# KiCad board servo.kicad_pcb (continued)
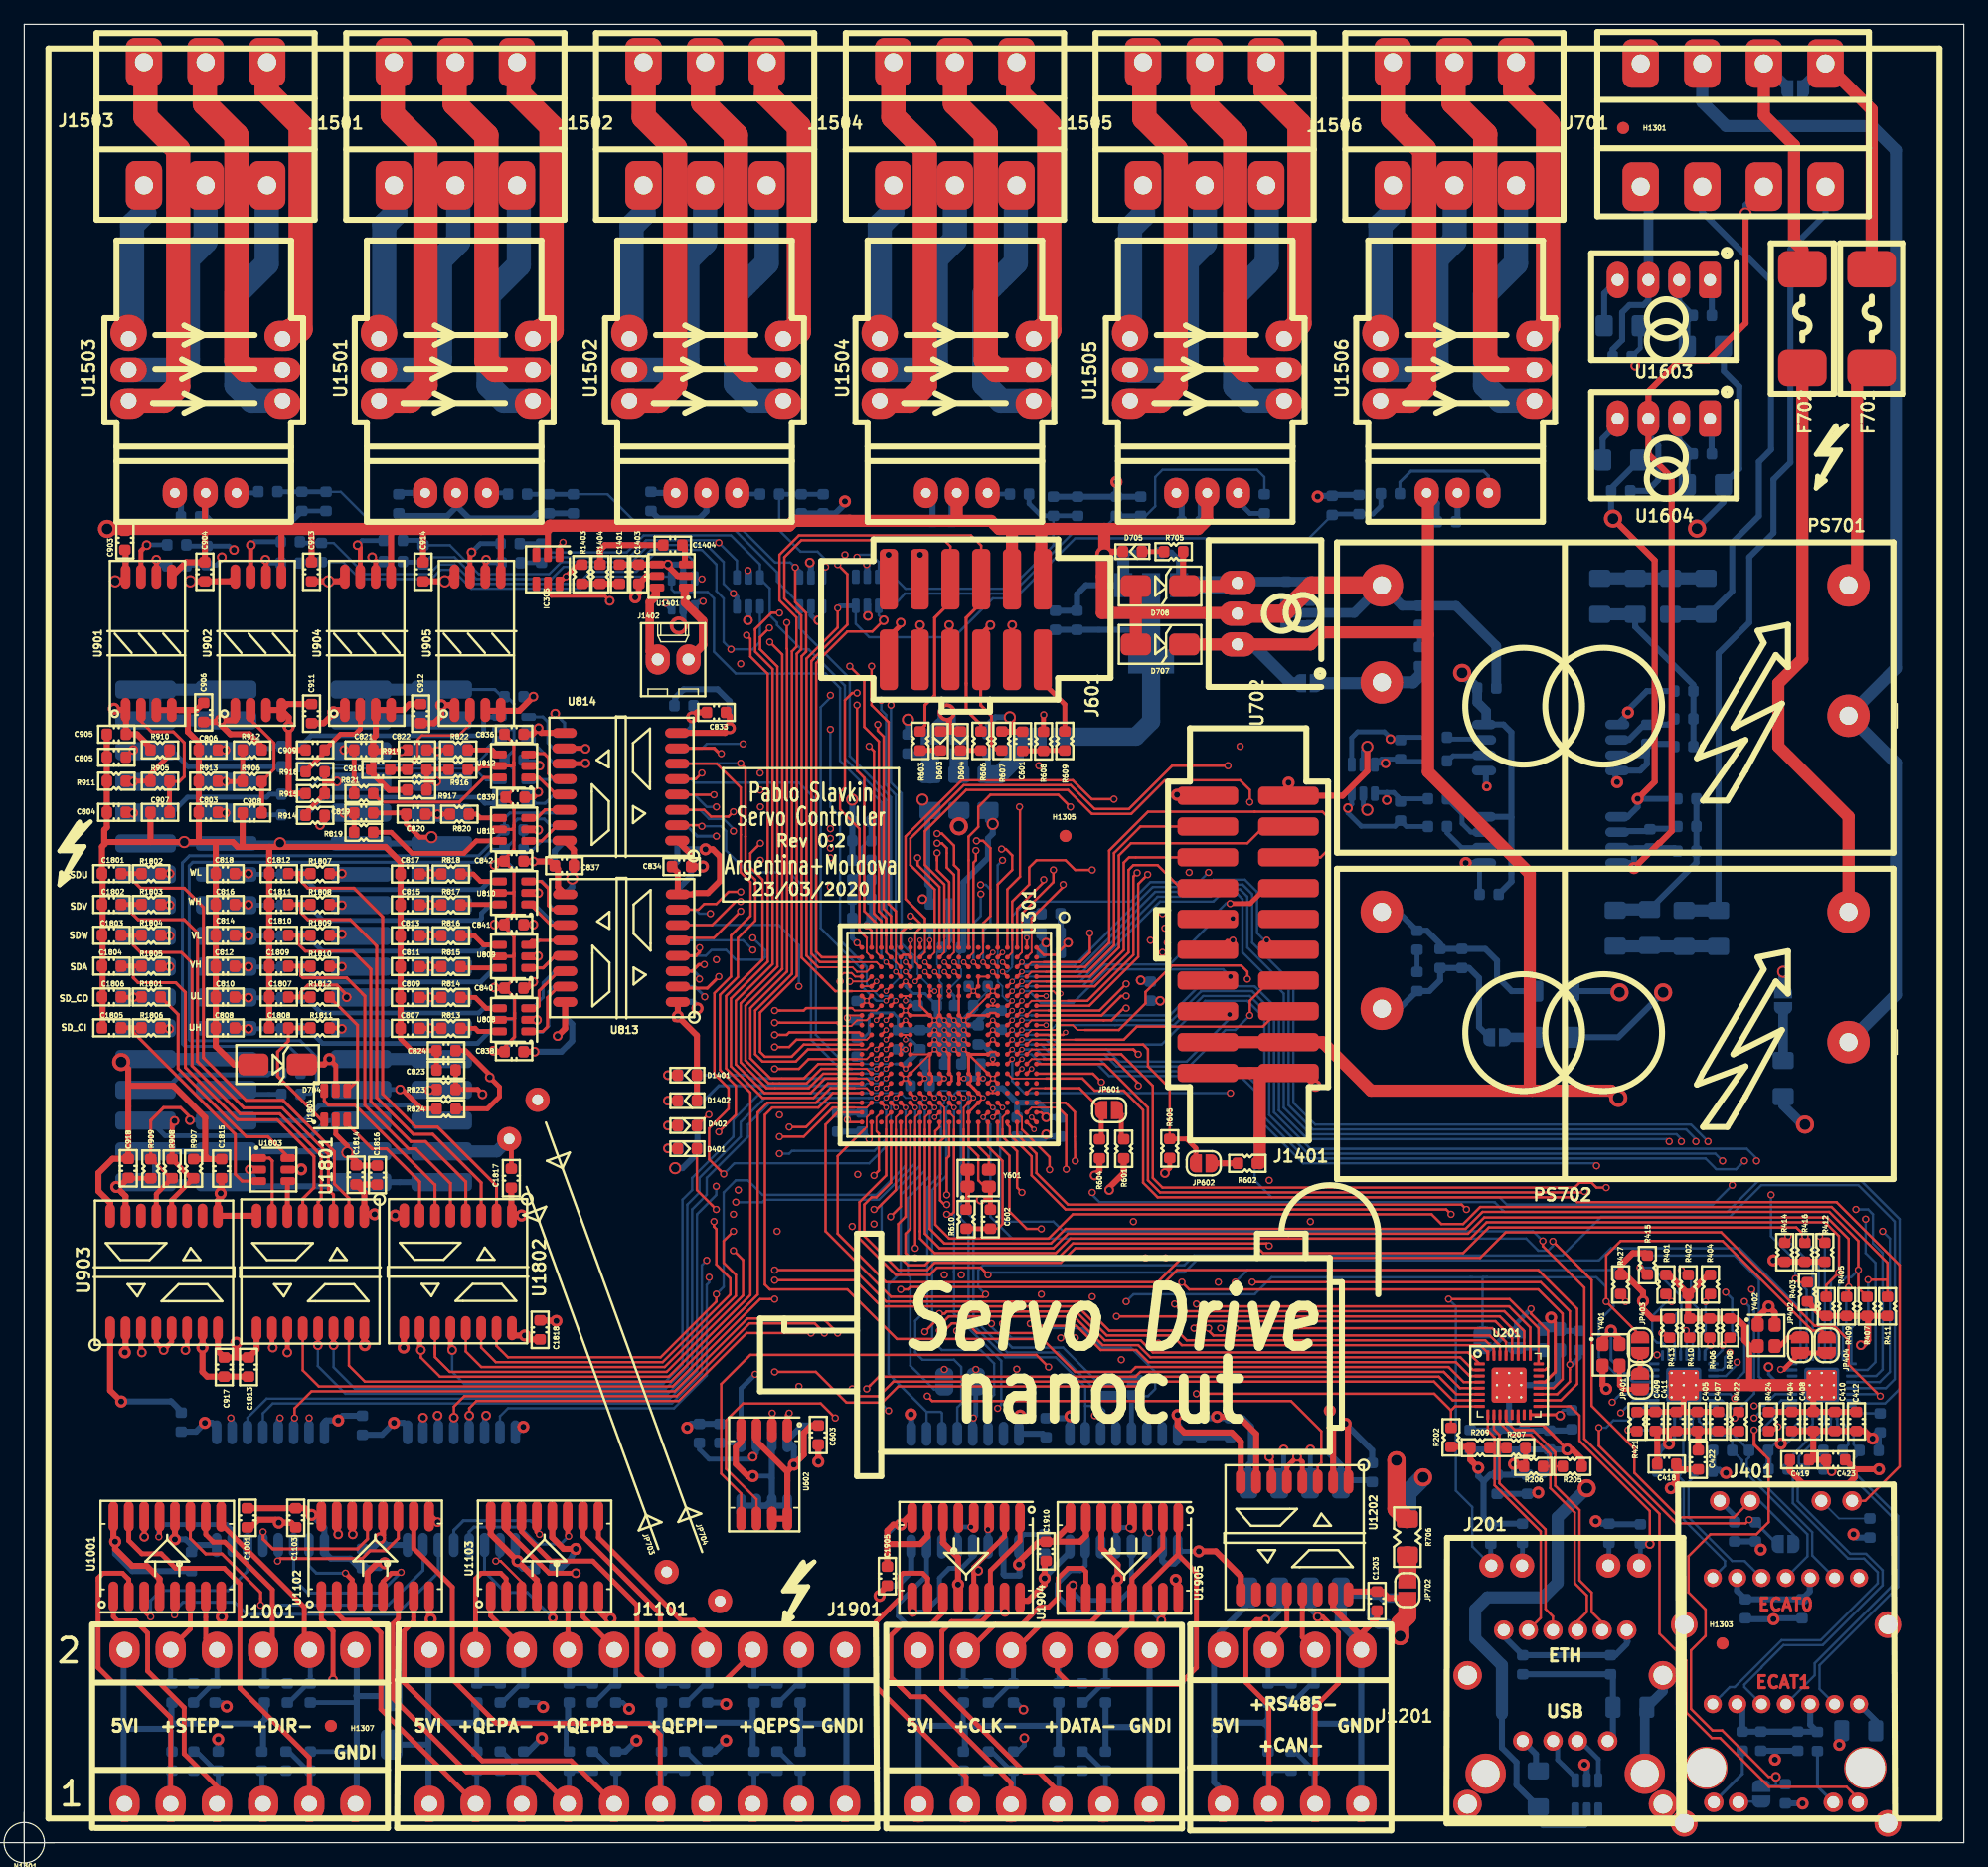
[diagram p0: board, top side]
## Nets (continued)
GND: C202.1 C204.2 C205.2 C207.2 C209.2 C211.2 C214.1 C216.1 C217.1 C301.2 C302.2 C303.2 C304.2 C404.1 C405.2 C407.2 C408.2 C409.2 C410.2 C411.2 C412.2 C414.2 C418.2 C419.2 C422.2 C423.2 C426.1 C427.1 C428.1 C429.1 C434.1 C501.2 C502.2 C503.2 C504.2 C505.2 C506.2 C507.2 C508.1 C511.2 C512.2 C514.2 C515.2 C516.2 C517.2 C518.2 C519.2 C520.2 C521.2 C523.2 C524.2 C525.2 C526.1 C529.1 C530.2 C531.1 C601.1 C602.2 C603.1 C701.1 C702.1 C703.1 C704.1 C705.1 C712.1 C714.1 C825.2 C826.2 C833.2 C834.2 C903.1 C904.1 C913.1 C914.1 C917.1 C1101.1 C1106.1 C1201.1 C1204.1 C1401.1 C1403.2 C1501.1 C1502.1 C1504.1 C1505.1 C1508.1 C1509.1 C1510.1 C1511.1 C1512.1 C1513.1 C1514.1 C1515.1 C1603.1 C1604.1 C1813.2 C1818.2 C1901.1 C1914.1 D701.1 D705.1 D707.2 D708.2 IC201.2 IC301.2 IC302.2 IC303.2 IC304.2 IC305.2 IC306.2 J201.4 J601.10 J601.12 J1401.2 J1401.19 J1401.20 PS701.3 R201.2 R302.2 R401.2 R402.2 R403.2 R404.2 R405.2 R406.2 R407.2 R408.2 R409.2 R410.2 R411.2 R421.2 R424.2 R601.2 R602.2 R607.2 R1502.2 R1504.2 R1506.2 R1508.2 R1510.2 R1512.2 U201.33 U301.A1 U301.A10 U301.A19 U301.E5 U301.E6 U301.E8 U301.E12 U301.E14 U301.E15 U301.F5 U301.F6 U301.F8 U301.F12 U301.F14 U301.F15 U301.G16 U301.G17 U301.H8 U301.H9 U301.H10 U301.H11 U301.H12 U301.H14 U301.H15 U301.H18 U301.H19 U301.J5 U301.J6 U301.J8 U301.J9 U301.J10 U301.J11 U301.J12 U301.K8 U301.K9 U301.K10 U301.K11 U301.K12 U301.K14 U301.K15 U301.L5 U301.L6 U301.L8 U301.L9 U301.L10 U301.L11 U301.L12 U301.L18 U301.M8 U301.M9 U301.M10 U301.M11 U301.M12 U301.M14 U301.M15 U301.N1 U301.N5 U301.N6 U301.P1 U301.P2 U301.P5 U301.P7 U301.P8 U301.P11 U301.P12 U301.P14 U301.P15 U301.R2 U301.R5 U301.R7 U301.R8 U301.R14 U301.R15 U301.V6 U301.V7 U301.W1 U301.W6 U301.W7 U301.W19 U401.1 U401.2 U401.3 U401.4 U401.7 U402.33 U403.33 U602.4 U702.2 U706.1 U801.8 U802.8 U813.8 U814.8 U901.5 U902.5 U903.2 U903.8 U904.5 U905.5 U1101.9 U1104.9 U1201.4 U1202.2 U1202.8 U1401.2 U1401.4 U1501.8 U1502.8 U1503.8 U1504.8 U1505.8 U1506.8 U1601.5 U1602.5 U1801.9 U1802.9 U1901.8 U1908.8 Y201.2 Y401.2 Y402.2 Y601.2
GNDB: C1609.1 C1610.1 R704.2 U1603.1 U1604.1
GNDH: C708.1 C710.1 D702.1 PS702.3 R704.1 R707.1
GNDI: C1001.1 C1102.1 C1103.1 C1104.1 C1105.1 C1202.1 C1203.1 C1904.1 C1905.1 C1910.1 C1913.1 D703.2 J1001.6a J1001.6b J1101.10a J1101.10b J1201.4a J1201.4b J1901.6a J1901.6b JP703.1 JP705.2 R1003.2 R1006.2 R1009.2 R1012.2 R1103.2 R1106.2 R1109.2 R1112.2 R1115.2 R1118.2 R1121.2 R1124.2 R1203.2 R1206.2 R1905.2 R1908.2 R1913.2 R1916.2 U1001.8 U1001.12 U1101.8 U1102.8 U1102.12 U1103.8 U1103.12 U1104.8 U1201.5 U1202.9 U1202.15 U1901.9 U1901.10 U1904.7 U1904.8 U1905.7 U1905.8 U1908.9 U1908.10
GNDP: C801.1 C802.1 C803.1 C804.1 C805.1 C806.1 C807.1 C808.1 C809.1 C810.1 C811.1 C812.1 C813.1 C814.1 C815.1 C816.1 C817.1 C818.1 C819.1 C820.1 C821.1 C822.1 C823.1 C824.1 C828.2 C829.2 C830.2 C831.2 C832.2 C835.2 C836.2 C837.2 C838.2 C839.2 C840.2 C841.2 C842.2 C905.1 C906.1 C907.1 C908.1 C909.1 C910.1 C911.1 C912.1 C918.1 C1801.2 C1802.2 C1803.2 C1804.2 C1805.2 C1806.2 C1807.2 C1808.2 C1809.2 C1810.2 C1811.2 C1812.2 C1814.2 C1815.2 C1816.2 C1817.2 D704.2 J1704.1 J1704.2 J1704.3 J1704.4 J1704.23 J1704.24 J1705.1 J1705.2 J1705.3 J1705.4 J1705.23 J1705.24 JP703.2 R909.2 R911.2 R913.2 R915.2 R917.2 U801.9 U802.9 U803.2 U804.2 U805.2 U806.2 U807.2 U808.2 U809.2 U810.2 U811.2 U812.2 U813.9 U814.9 U901.3 U901.4 U902.3 U902.4 U903.9 U903.15 U904.3 U904.4 U905.3 U905.4 U1801.8 U1802.8 U1803.2 U1804.2
VBUS1_N: C1601.1 IC304.3 R1602.1 U301.U7
VBUS1_N_H: C1605.1 C1607.1 J701.4b R1608.2 U1601.3 U1601.4 U1603.3
VBUS1_P: C1601.2 IC304.1 R1601.1 U301.T7
VBUS1_P_H: J701.3b R1613.2 R1616.2
VBUS2_N: C1602.1 IC304.6 R1604.1 U301.W4
VBUS2_N_H: C1606.1 C1608.1 J701.2b R1610.2 U1602.3 U1602.4 U1604.3
VBUS2_P: C1602.2 IC304.4 R1603.1 U301.V4
VBUS2_P_H: J701.1b R1617.2 R1618.2
1-WIRE_N_H: J1704.6 J1705.6 R908.2 R909.1 U903.13
1-WIRE_P_H: J1704.5 J1705.5 R907.2 R908.1 U903.12
1WIRE_EN: U301.B14 U903.4 U903.5
1WIRE_IN: U301.A14 U903.3
1WIRE_OUT: U301.C14 U903.6
/ac_in/AC_L_C: F701.2 J701.1a JP707.1
/ac_in/AC_L_C_FUSE: F701.1 PS701.1
/ac_in/AC_L_H: F702.2 J701.2a JP707.2
/ac_in/AC_L_H_FUSE: F702.1 PS702.1
/ac_in/AC_N: J701.3a PS701.2 PS702.2
/can rs485/CAN_N_H: J1201.3a R1202.2 R1203.1 U1201.6
/can rs485/CAN_P_H: J1201.2a R1201.2 R1202.1 U1201.7
/can rs485/RS485_N_H: J1201.3b R1205.2 R1206.1 U1202.13
/can rs485/RS485_P_H: J1201.2b R1204.2 R1205.1 U1202.12
/endat/ENDAT1_CLK_H: U1901.12 U1904.9
/endat/ENDAT1_CLK_H_N: J1901.3a R1912.2 R1913.1 U1904.11
/endat/ENDAT1_CLK_H_P: J1901.2a R1911.2 R1912.1 U1904.10
/endat/ENDAT1_CS_H: U1901.13 U1904.4
/endat/ENDAT1_DATA_H_N: J1901.5a R1915.2 R1916.1 U1904.2 U1904.13
/endat/ENDAT1_DATA_H_P: J1901.4a R1914.2 R1915.1 U1904.1 U1904.14
/endat/ENDAT1_MISO_H: U1901.11 U1904.3
/endat/ENDAT1_MOSI_H: U1901.15 U1904.15
/endat/ENDAT2_CLK_H: U1905.9 U1908.12
/endat/ENDAT2_CLK_H_N: J1901.3b R1907.2 R1908.1 U1905.11
/endat/ENDAT2_CLK_H_P: J1901.2b R1906.2 R1907.1 U1905.10
/endat/ENDAT2_CS_H: U1905.4 U1908.13
/endat/ENDAT2_DATA_H_N: J1901.5b R1904.2 R1905.1 U1905.2 U1905.13
/endat/ENDAT2_DATA_H_P: J1901.4b R1903.2 R1904.1 U1905.1 U1905.14
/endat/ENDAT2_MISO_H: U1905.3 U1908.11
/endat/ENDAT2_MOSI_H: U1905.15 U1908.15
/ethercat/ecat0_bias: R422.1 U402.8
/ethercat/ecat0_col: R410.1 U402.29
/ethercat/ecat0_crs: R413.2 U402.27
/ethercat/ecat1_bias: R424.1 U403.16
/ethercat/ecat1_col: R412.2 U403.29
/ethercat/ecat1_crs: R414.2 U403.27
/ethercat/ecat1_led0: JP406.2 R434.2 U403.17
/ethercat/ecat1_pwrdn: R425.1 U403.8
/ethercat/P0_RD_N: J401.13 R437.2 U402.9
/ethercat/P0_RD_P: J401.11 R435.2 U402.10
/ethercat/P0_TD_N: J401.10 R431.2 U402.11
/ethercat/P0_TD_P: J401.8 R429.2 U402.12
/ethercat/P1_RD_N: J401.6 R440.2 U403.9
/ethercat/P1_RD_P: J401.4 R438.2 U403.10
/ethercat/P1_TD_N: J401.3 R432.2 U403.11
/ethercat/P1_TD_P: J401.1 R430.2 U403.12
/ethernet/clk_xi: JP201.1 JP202.2 U201.23
/ethernet/enet_led0: J201.13 R208.2 U201.17
/ethernet/enet_led1: J201.16 R211.2 U201.24
/ethernet/P0_RD_N: J201.11 R209.2 U201.9
/ethernet/P0_RD_P: J201.10 R207.2 U201.10
/ethernet/P0_TD_N: J201.9 R206.2 U201.11
/ethernet/P0_TD_P: J201.8 R205.2 U201.12
/lem/LemA_All_1: J1502.3 U1502.1
/lem/LemA_All_2: J1502.5 U1502.2
/lem/LemA_All_3: J1502.4 U1502.3
/lem/LemA_All_4: J1502.1 U1502.4
/lem/LemA_All_5: J1502.2 U1502.5
/lem/LemA_All_6: J1502.6 U1502.6
/lem/LemAU_1: J1503.3 U1503.1
/lem/LemAU_2: J1503.5 U1503.2
/lem/LemAU_3: J1503.4 U1503.3
/lem/LemAU_4: J1503.1 U1503.4
/lem/LemAU_5: J1503.2 U1503.5
/lem/LemAU_6: J1503.6 U1503.6
/lem/LemAV_1: J1501.3 U1501.1
/lem/LemAV_2: J1501.5 U1501.2
/lem/LemAV_3: J1501.4 U1501.3
/lem/LemAV_4: J1501.1 U1501.4
/lem/LemAV_5: J1501.2 U1501.5
/lem/LemAV_6: J1501.6 U1501.6
/lem/LemB_All_1: J1506.3 U1506.1
/lem/LemB_All_2: J1506.5 U1506.2
/lem/LemB_All_3: J1506.4 U1506.3
/lem/LemB_All_4: J1506.1 U1506.4
/lem/LemB_All_5: J1506.2 U1506.5
/lem/LemB_All_6: J1506.6 U1506.6
/lem/LemBU_1: J1504.3 U1504.1
/lem/LemBU_2: J1504.5 U1504.2
/lem/LemBU_3: J1504.4 U1504.3
/lem/LemBU_4: J1504.1 U1504.4
/lem/LemBU_5: J1504.2 U1504.5
/lem/LemBU_6: J1504.6 U1504.6
/lem/LemBV_1: J1505.3 U1505.1
/lem/LemBV_2: J1505.5 U1505.2
/lem/LemBV_3: J1505.4 U1505.3
/lem/LemBV_4: J1505.1 U1505.4
/lem/LemBV_5: J1505.2 U1505.5
/lem/LemBV_6: J1505.6 U1505.6
/qep/QEP1_A_H: U1101.2 U1102.3
/qep/QEP1_A_N_H: J1101.3a R1102.2 R1103.1 U1102.1
/qep/QEP1_A_P_H: J1101.2a R1101.2 R1102.1 U1102.2
/qep/QEP1_B_H: U1101.3 U1102.5
/qep/QEP1_B_N_H: J1101.5a R1105.2 R1106.1 U1102.7
/qep/QEP1_B_P_H: J1101.4a R1104.2 R1105.1 U1102.6
/qep/QEP1_I_H: U1101.4 U1102.11
/qep/QEP1_I_N_H: J1101.7a R1108.2 R1109.1 U1102.9
/qep/QEP1_I_P_H: J1101.6a R1107.2 R1108.1 U1102.10
/qep/QEP1_S_H: U1101.5 U1102.13
/qep/QEP1_S_N_H: J1101.9a R1111.2 R1112.1 U1102.15
/qep/QEP1_S_P_H: J1101.8a R1110.2 R1111.1 U1102.14
/qep/QEP2_A_H: U1103.3 U1104.2
/qep/QEP2_A_N_H: J1101.3b R1123.2 R1124.1 U1103.1
/qep/QEP2_A_P_H: J1101.2b R1122.2 R1123.1 U1103.2
/qep/QEP2_B_H: U1103.5 U1104.3
/qep/QEP2_B_N_H: J1101.5b R1120.2 R1121.1 U1103.7
/qep/QEP2_B_P_H: J1101.4b R1119.2 R1120.1 U1103.6
/qep/QEP2_I_H: U1103.11 U1104.4
/qep/QEP2_I_N_H: J1101.7b R1117.2 R1118.1 U1103.9
/qep/QEP2_I_P_H: J1101.6b R1116.2 R1117.1 U1103.10
/qep/QEP2_S_H: U1103.13 U1104.5
/qep/QEP2_S_N_H: J1101.9b R1114.2 R1115.1 U1103.15
/qep/QEP2_S_P_H: J1101.8b R1113.2 R1114.1 U1103.14
/step_dir/DIR1_A_N_H: J1001.5a R1005.2 R1006.1 U1001.15
/step_dir/DIR1_A_P_H: J1001.4a R1004.2 R1005.1 U1001.14
/step_dir/DIR2_A_N_H: J1001.5b R1008.2 R1009.1 U1001.9
/step_dir/DIR2_A_P_H: J1001.4b R1007.2 R1008.1 U1001.10
/step_dir/STEP1_N_H: J1001.3a R1002.2 R1003.1 U1001.1
/step_dir/STEP1_P_H: J1001.2a R1001.2 R1002.1 U1001.2
/step_dir/STEP2_N_H: J1001.3b R1011.2 R1012.1 U1001.7
/step_dir/STEP2_P_H: J1001.2b R1010.2 R1011.1 U1001.6
/uc_adc/ADC_REFH: C301.1 C302.1 R301.1 R302.1 U301.R1 U301.V1 U301.V5 U301.W5
/uc_clk_dbg/F2838x_CLK: U301.G19 Y601.3
/uc_clk_dbg/MCU_TCK: J601.1 U301.V15
/uc_clk_dbg/MCU_TDI: J601.3 U301.W13
/uc_clk_dbg/MCU_TDO: J601.9 U301.W15
/uc_clk_dbg/MCU_TMS: J601.5 U301.W14
/uc_clk_dbg/MCU_TRSTn: J601.7 R607.1 U301.V14
/uc_clk_dbg/MCU_XRSn: C602.1 R610.2 U301.F19
/ui/speaker+: J1402.2 U1401.6
/ui/speaker-: J1402.1 U1401.1
BOOT1: JP601.1 R604.2 U301.B16
BOOT2: JP602.1 R605.2 U301.A11
BRK_MEC1: U301.U13 U802.4
BRK_MEC1_H: C804.2 J1704.25 R809.2
BRK_MEC2: U301.T13 U814.2
BRK_MEC2_H: C819.2 J1705.25 R819.1
BRK_RES1: U301.C2 U802.5
BRK_RES1_H: C803.2 J1704.26 R810.2
BRK_RES2: U301.D1 U814.3
BRK_RES2_H: C820.2 J1705.26 R820.1
CAN_RX: U301.T11 U1201.2
CAN_TX: U301.U11 U1201.3
DACB_DBG: IC305.1 R608.1 U301.T1
DACB_DBG_OUT: J601.11 R609.2
DIR1: U301.C18 U1101.10
DIR1_H: U1001.13 U1101.7
DIR2: U301.A17 U1104.10
DIR2_H: U1001.11 U1104.7
Earth: C217.2 C434.2 J201.5 J201.6 J201.17 J201.18 J201.19 J201.20 J401.7 J401.14 J401.23 J401.24 J401.25 J401.26 J401.27 J401.28 R708.2
ECAT0_RJ_LED0: J401.20 JP405.1 U301.F18
ECAT0_RJ_LED1: J401.22 U301.D14
ECAT0_RX_CLK: U301.A8 U402.25
ECAT0_RX_D0: R402.1 U301.C5 U402.30
ECAT0_RX_D1: R404.1 U301.D5 U402.31
ECAT0_RX_D2: R406.1 U301.C4 U402.32
ECAT0_RX_D3: R408.1 U301.D4 U402.1
ECAT0_RX_DV: R401.1 U301.D9 U402.26
ECAT0_RX_ER: R415.2 U301.B8 U402.28
ECAT0_TX_CLK: U301.B10 U402.2
ECAT0_TX_D0: U301.C10 U402.4
ECAT0_TX_D1: U301.D10 U402.5
ECAT0_TX_D2: U301.B9 U402.6
ECAT0_TX_D3: U301.C9 U402.7
ECAT0_TX_EN: U301.D12 U402.3
ECAT1_RJ_LED0: J401.18 U301.F17
ECAT1_RJ_LED1: J401.16 JP406.1 U301.A13
ECAT1_RX_CLK: U301.T18 U403.25
ECAT1_RX_D0: R405.1 U301.N19 U403.30
ECAT1_RX_D1: R407.1 U301.M19 U403.31
ECAT1_RX_D2: R409.1 U301.M18 U403.32
ECAT1_RX_D3: R411.1 U301.L19 U403.1
ECAT1_RX_DV: R403.1 U301.T17 U403.26
ECAT1_RX_ER: R416.2 U301.T19 U403.28
ECAT1_TX_CLK: U301.U10 U403.2
ECAT1_TX_D0: U301.V10 U403.4
ECAT1_TX_D1: U301.W18 U403.5
ECAT1_TX_D2: U301.V18 U403.6
ECAT1_TX_D3: U301.U18 U403.7
ECAT1_TX_EN: U301.T10 U403.3
ECAT_EEPROM_SCL: R418.2 U301.C13 U401.6
ECAT_EEPROM_SDA: R417.2 U301.B13 U401.5
ECAT_LED_ERR: D402.1 U301.E17
ECAT_LED_RUN: D401.1 U301.D18
ECAT_MDCLK: U301.D13 U402.20 U403.20
ECAT_MDIO: R427.2 U301.A12 U402.19 U403.19
ECAT_RST: U301.C12 U402.18 U403.18
ENDAT1_CLK: JP1901.2 U301.M17
ENDAT1_CS: U301.L16 U1901.4
ENDAT1_MISO: U301.M16 U1901.6
ENDAT1_MOSI: U301.N17 U1901.2 U1901.3
ENDAT1_N_SKEW_CLK: JP1902.1 U301.D2 U1901.5
ENDAT1_Y_SKEW_CLK: JP1901.1 JP1902.2 U301.D3
ENDAT2_CLK: JP1904.1 U301.K16
ENDAT2_CS: U301.K17 U1908.4
ENDAT2_MISO: U301.L17 U1908.6
ENDAT2_MOSI: U301.J16 U1908.2 U1908.3
ENDAT2_N_SKEW_CLK: JP1903.2 U301.E3 U1908.5
ENDAT2_Y_SKEW_CLK: JP1903.1 JP1904.2 U301.E4
ENET_CAT_XI: JP202.1 JP403.1 JP404.1 U301.B12
ENET_COL: U201.29 U301.M2
ENET_CRS: U201.27 U301.N2
ENET_MDCLK: U201.20 U301.J3
ENET_MDIO: R204.1 U201.19 U301.L2
ENET_PWDN: R202.1 U201.8 U301.L4
ENET_RST: U201.18 U301.T15
ENET_RX_CLK: U201.25 U301.M4
ENET_RX_D0: U201.30 U301.N3
ENET_RX_D1: U201.31 U301.V12
ENET_RX_D2: U201.32 U301.W10
ENET_RX_D3: U201.1 U301.U12
ENET_RX_DV: U201.26 U301.M3
ENET_RX_ER: U201.28 U301.N4
ENET_TX_CLK: U201.2 U301.U15
ENET_TX_D0: U201.4 U301.W16
ENET_TX_D1: U201.5 U301.T8
ENET_TX_D2: U201.6 U301.U8
ENET_TX_D3: U201.7 U301.V8
ENET_TX_EN: U201.3 U301.T12
FAN_RPM1: U301.K18 U802.7
FAN_RPM1_H: J1704.8 R812.2
FAN_RPM2: U301.R16 U814.6
FAN_RPM2_H: J1705.8 R823.1
FLASH_SPI_CLK: U301.H3 U602.6
FLASH_SPI_CS: U301.J1 U602.1
FLASH_SPI_MISO: U301.H2 U602.2
FLASH_SPI_MOSI: U301.H1 U602.5
FREE_OUT1_1: U301.V17 U802.3
FREE_OUT1_1_H: C805.2 J1704.29 R808.2
FREE_OUT1_2: U301.U17 U802.2
FREE_OUT1_2_H: C806.2 J1704.30 R807.2
FREE_OUT2_1: U301.E19 U814.4
FREE_OUT2_1_H: C821.2 J1705.29 R821.1
FREE_OUT2_2: U301.E18 U814.5
FREE_OUT2_2_H: C822.2 J1705.30 R822.1
IGBT1_UH: U301.C8 U801.7
IGBT1_UH_H: C808.2 J1704.12 R806.2
IGBT1_UL: U301.D8 U801.6
IGBT1_UL_H: C810.2 J1704.14 R805.2
IGBT1_VH: U301.A7 U801.5
IGBT1_VH_H: C812.2 J1704.16 R804.2
IGBT1_VL: U301.B7 U801.4
IGBT1_VL_H: C814.2 J1704.18 R803.2
IGBT1_WH: U301.C7 U801.3
IGBT1_WH_H: C816.2 J1704.20 R802.2
IGBT1_WL: U301.D7 U801.2
IGBT1_WL_H: C818.2 J1704.22 R801.2
IGBT2_UH: U301.A6 U813.2
IGBT2_UH_H: C807.2 J1705.12 R813.1
IGBT2_UL: U301.B6 U813.3
IGBT2_UL_H: C809.2 J1705.14 R814.1
IGBT2_VH: U301.G2 U813.4
IGBT2_VH_H: C811.2 J1705.16 R815.1
IGBT2_VL: U301.G3 U813.5
IGBT2_VL_H: C813.2 J1705.18 R816.1
IGBT2_WH: U301.B2 U813.6
IGBT2_WH_H: C815.2 J1705.20 R817.1
IGBT2_WL: U301.C1 U813.7
IGBT2_WL_H: C817.2 J1705.22 R818.1
IGBT_ALARM1: U301.K19 U802.6
IGBT_ALARM1_H: J1704.7 R811.2
IGBT_ALARM2: U301.P17 U814.7
IGBT_ALARM2_H: J1705.7 R824.1
LCD_AUDIO: IC305.6 J1401.9 R1403.1 U301.U1
LCD_GPIO0: J1401.11 U301.B3
LCD_GPIO1: J1401.12 U301.C3
LCD_GPIO2: J1401.13 U301.C6
LCD_GPIO3: J1401.14 U301.D11
LCD_GPIO4: J1401.15 U301.C11
LCD_GPIO5: J1401.16 U301.B11
LCD_INT: J1401.7 U301.A5
LCD_SPI_CLK: J1401.3 U301.B4
LCD_SPI_CS: J1401.6 U301.A3
LCD_SPI_MISO: J1401.4 U301.A4
LCD_SPI_MOSI: J1401.5 U301.B5
LCD_SPI_PDW: J1401.8 U301.D6
LEM_A_ALL: C1502.2 IC306.3 R1503.2 R1504.1 U301.T6
LEM_A_U: C1509.2 IC306.6 R1505.2 R1506.1 U301.T5
LEM_A_V: C1501.2 IC306.1 R1501.2 R1502.1 U301.U5
LEM_B_ALL: C1515.2 IC303.3 R1511.2 R1512.1 U301.V3
LEM_B_U: C1513.2 IC303.6 R1507.2 R1508.1 U301.V2
LEM_B_V: C1514.2 IC303.1 R1509.2 R1510.1 U301.W2
NTC1_1_H: J1704.27 R905.2 R910.2 R911.1
NTC1_1_N: C901.1 IC301.4 R902.2 U301.T2
NTC1_1_P: C901.2 IC301.6 R901.2 U301.U2
NTC1_2_H: J1704.28 R906.2 R912.2 R913.1
NTC1_2_N: C902.1 IC301.1 R904.2 U301.T3
NTC1_2_P: C902.2 IC301.3 R903.2 U301.U3
NTC2_1_H: J1705.27 R914.2 R915.1 R918.2
NTC2_1_N: C915.1 IC302.1 R921.2 U301.P3
NTC2_1_P: C915.2 IC302.3 R920.2 U301.R3
NTC2_2_H: J1705.28 R916.2 R917.1 R919.2
NTC2_2_N: C916.1 IC302.4 R923.2 U301.P4
NTC2_2_P: C916.2 IC302.6 R922.2 U301.R4
QEP1_A: U301.F2 U1101.15
QEP1_B: U301.F3 U1101.14
QEP1_I: U301.K4 U1101.13
QEP1_S: U301.J4 U1101.12
QEP2_A: U301.K3 U1104.15
QEP2_B: U301.K2 U1104.14
QEP2_I: U301.K1 U1104.13
QEP2_S: U301.L1 U1104.12
RS485_EN: U301.N16 U1202.4 U1202.5
RS485_RX: U301.P19 U1202.3
RS485_TX: U301.P18 U1202.6
RUN_LED0: R1401.2 U301.U14
RUN_LED1: R1402.2 U301.T14
SCIA_RX: J601.8 R606.1 U301.V11
SCIA_TX: J601.6 R603.2 U301.W11
SD1_A: U301.W17 U1801.12
SD1_A_H: J1704.15 R1805.2
SD1_U: U301.V16 U1801.15
SD1_U_H: J1704.21 R1802.2
SD1_V: U301.U16 U1801.14
SD1_V_H: J1704.19 R1803.2
SD1_W: U301.T16 U1801.13
SD1_W_H: J1704.17 R1804.2
SD2_A: U301.P16 U1802.12
SD2_A_H: J1705.15 R1810.2
SD2_U: U301.R17 U1802.15
SD2_U_H: J1705.21 R1807.2
SD2_V: U301.R18 U1802.14
SD2_V_H: J1705.19 R1808.2
SD2_W: U301.R19 U1802.13
SD2_W_H: J1705.17 R1809.2
SD_CLK_IN1: U301.E2 U1801.11
SD_CLK_IN1_H: J1704.11 R1806.2
SD_CLK_IN2: U301.N18 U1802.11
SD_CLK_IN2_H: J1705.11 R1811.2
SD_CLK_OUT: U301.E1 U1801.10 U1802.10
SD_CLK_OUT1_H: C1806.1 J1704.13 R1801.2
SD_CLK_OUT2_H: C1807.1 J1705.13 R1812.2
STEP1: U301.B19 U1101.11
STEP1_H: U1001.3 U1101.6
STEP2: U301.B18 U1104.11
STEP2_H: U1001.5 U1104.6
USB_D+: IC201.3 J201.3 U301.C19
USB_D-: IC201.1 J201.2 U301.D19
USB_VBUS: J201.1 R210.2
Net-(C601-Pad2): C601.2 R608.2 R609.1
Net-(C801-Pad2): C801.2 R812.1 U802.10
Net-(C802-Pad2): C802.2 R811.1 U802.11
Net-(C823-Pad2): C823.2 R823.2 U814.11
Net-(C824-Pad2): C824.2 R824.2 U814.10
Net-(C907-Pad2): C907.2 R905.1 U901.2
Net-(C908-Pad2): C908.2 R906.1 U902.2
Net-(C909-Pad2): C909.2 R918.1 U904.2
Net-(C910-Pad2): C910.2 R919.1 U905.2
Net-(C1401-Pad2): C1401.2 R1403.2 R1404.1
Net-(C1404-Pad1): C1404.1 R1404.2
Net-(C1404-Pad2): C1404.2 U1401.3
Net-(C1605-Pad2): C1605.2 R1605.1 U1601.2
Net-(C1606-Pad2): C1606.2 R1606.1 U1602.2
Net-(C1607-Pad2): C1607.2 L1601.2 R1607.1 U1601.1
Net-(C1608-Pad2): C1608.2 L1602.2 R1609.1 U1602.1
Net-(C1609-Pad2): C1609.2 L1603.2 U1603.2
Net-(C1610-Pad2): C1610.2 L1604.2 U1604.2
Net-(C1801-Pad1): C1801.1 R1802.1 U1801.2
Net-(C1802-Pad1): C1802.1 R1803.1 U1801.3
Net-(C1803-Pad1): C1803.1 R1804.1 U1801.4
Net-(C1804-Pad1): C1804.1 R1805.1 U1801.5
Net-(C1805-Pad1): C1805.1 R1806.1 U1803.3
Net-(C1808-Pad1): C1808.1 R1811.1 U1804.1
Net-(C1809-Pad1): C1809.1 R1810.1 U1802.5
Net-(C1810-Pad1): C1810.1 R1809.1 U1802.4
Net-(C1811-Pad1): C1811.1 R1808.1 U1802.3
Net-(C1812-Pad1): C1812.1 R1807.1 U1802.2
Net-(D401-Pad2): D401.2 R419.1
Net-(D402-Pad2): D402.2 R420.1
Net-(D603-Pad1): D603.1 R603.1
Net-(D604-Pad1): D604.1 R606.2
Net-(D701-Pad2): D701.2 R701.2
Net-(D702-Pad2): D702.2 R702.2
Net-(D705-Pad2): D705.2 R705.2
Net-(D1401-Pad1): D1401.1 R1401.1
Net-(D1402-Pad1): D1402.1 R1402.1
Net-(IC201-Pad4): IC201.4
Net-(IC201-Pad6): IC201.6
Net-(IC303-Pad4): IC303.4
Net-(IC305-Pad3): IC305.3
Net-(IC305-Pad4): IC305.4
Net-(IC306-Pad4): IC306.4
Net-(J201-Pad14): J201.14 R212.2
Net-(J201-Pad15): J201.15 R213.2
Net-(J401-Pad15): J401.15 R442.2
Net-(J401-Pad17): J401.17 R441.2
Net-(J401-Pad19): J401.19 R446.2
Net-(J401-Pad21): J401.21 R445.2
Net-(J701-Pad4a): J701.4a JP708.1
Net-(J1401-Pad10): J1401.10
Net-(JP201-Pad2): JP201.2 Y201.3
Net-(JP401-Pad1): JP401.1 JP403.2 U402.23
Net-(JP401-Pad2): JP401.2 Y401.3
Net-(JP402-Pad1): JP402.1 JP404.2 U403.23
Net-(JP402-Pad2): JP402.2 Y402.3
Net-(JP405-Pad2): JP405.2 R433.2 U402.17
Net-(JP601-Pad2): JP601.2 R601.1
Net-(JP602-Pad2): JP602.2 R602.1
Net-(JP702-Pad1): JP702.1 R706.2
Net-(JP705-Pad1): JP705.1 R707.2
Net-(JP706-Pad2): JP706.2 R703.1
Net-(JP708-Pad2): JP708.2 R708.1
Net-(L1601-Pad1): L1601.1 U1603.4
Net-(L1602-Pad1): L1602.1 U1604.4
Net-(R201-Pad1): R201.1 U201.16
Net-(R421-Pad1): R421.1 U402.16
Net-(R801-Pad1): R801.1 U803.6
Net-(R802-Pad1): R802.1 U803.4
Net-(R803-Pad1): R803.1 U804.6
Net-(R804-Pad1): R804.1 U804.4
Net-(R805-Pad1): R805.1 U805.6
Net-(R806-Pad1): R806.1 U805.4
Net-(R807-Pad1): R807.1 U806.6
Net-(R808-Pad1): R808.1 U806.4
Net-(R809-Pad1): R809.1 U807.6
Net-(R810-Pad1): R810.1 U807.4
Net-(R813-Pad2): R813.2 U808.6
Net-(R814-Pad2): R814.2 U808.4
Net-(R815-Pad2): R815.2 U809.6
Net-(R816-Pad2): R816.2 U809.4
Net-(R817-Pad2): R817.2 U810.6
Net-(R818-Pad2): R818.2 U810.4
Net-(R819-Pad2): R819.2 U811.6
Net-(R820-Pad2): R820.2 U811.4
Net-(R821-Pad2): R821.2 U812.6
Net-(R822-Pad2): R822.2 U812.4
Net-(R901-Pad1): R901.1 U901.7
Net-(R902-Pad1): R902.1 U901.6
Net-(R903-Pad1): R903.1 U902.7
Net-(R904-Pad1): R904.1 U902.6
Net-(R920-Pad1): R920.1 U904.7
Net-(R921-Pad1): R921.1 U904.6
Net-(R922-Pad1): R922.1 U905.7
Net-(R923-Pad1): R923.1 U905.6
Net-(R1501-Pad1): R1501.1 U1501.7
Net-(R1503-Pad1): R1503.1 U1502.7
Net-(R1505-Pad1): R1505.1 U1503.7
Net-(R1507-Pad1): R1507.1 U1504.7
Net-(R1509-Pad1): R1509.1 U1505.7
Net-(R1511-Pad1): R1511.1 U1506.7
Net-(R1601-Pad2): R1601.2 U1601.7
Net-(R1602-Pad2): R1602.2 U1601.6
Net-(R1603-Pad2): R1603.2 U1602.7
Net-(R1604-Pad2): R1604.2 U1602.6
Net-(R1605-Pad2): R1605.2 R1607.2 R1608.1 R1611.1 R1612.1
Net-(R1606-Pad2): R1606.2 R1609.2 R1610.1 R1614.1 R1615.1
Net-(R1611-Pad2): R1611.2 R1612.2 R1613.1 R1616.1
Net-(R1614-Pad2): R1614.2 R1615.2 R1617.1 R1618.1
Net-(R1801-Pad1): R1801.1 U1803.6
Net-(R1812-Pad1): R1812.1 U1804.4
Net-(U201-Pad13): U201.13
Net-(U201-Pad15): U201.15
Net-(U201-Pad22): U201.22
Net-(U301-PadA2): U301.A2
Net-(U301-PadA15): U301.A15
Net-(U301-PadA16): U301.A16
Net-(U301-PadB15): U301.B15
Net-(U301-PadB17): U301.B17
Net-(U301-PadC15): U301.C15
Net-(U301-PadC16): U301.C16
Net-(U301-PadC17): U301.C17
Net-(U301-PadD15): U301.D15
Net-(U301-PadD16): U301.D16
Net-(U301-PadD17): U301.D17
Net-(U301-PadF1): U301.F1
Net-(U301-PadG1): U301.G1
Net-(U301-PadG18): U301.G18
Net-(U301-PadH4): U301.H4
Net-(U301-PadJ2): U301.J2
Net-(U301-PadJ17): U301.J17
Net-(U301-PadJ18): U301.J18
Net-(U301-PadJ19): U301.J19
Net-(U301-PadL3): U301.L3
Net-(U301-PadT4): U301.T4
Net-(U301-PadT9): U301.T9
Net-(U301-PadU4): U301.U4
Net-(U301-PadU6): U301.U6
Net-(U301-PadU9): U301.U9
Net-(U301-PadU19): U301.U19
Net-(U301-PadV9): U301.V9
Net-(U301-PadV13): U301.V13
Net-(U301-PadW3): U301.W3
Net-(U301-PadW9): U301.W9
Net-(U301-PadW12): U301.W12
Net-(U402-Pad13): U402.13
Net-(U402-Pad15): U402.15
Net-(U402-Pad22): U402.22
Net-(U402-Pad24): U402.24
Net-(U403-Pad13): U403.13
Net-(U403-Pad15): U403.15
Net-(U403-Pad22): U403.22
Net-(U403-Pad24): U403.24
Net-(U801-Pad10): U801.10 U805.3
Net-(U801-Pad11): U801.11 U805.1
Net-(U801-Pad12): U801.12 U804.3
Net-(U801-Pad13): U801.13 U804.1
Net-(U801-Pad14): U801.14 U803.3
Net-(U801-Pad15): U801.15 U803.1
Net-(U802-Pad12): U802.12 U807.3
Net-(U802-Pad13): U802.13 U807.1
Net-(U802-Pad14): U802.14 U806.3
Net-(U802-Pad15): U802.15 U806.1
Net-(U808-Pad1): U808.1 U813.15
Net-(U808-Pad3): U808.3 U813.14
Net-(U809-Pad1): U809.1 U813.13
Net-(U809-Pad3): U809.3 U813.12
Net-(U810-Pad1): U810.1 U813.11
Net-(U810-Pad3): U810.3 U813.10
Net-(U811-Pad1): U811.1 U814.15
Net-(U811-Pad3): U811.3 U814.14
Net-(U812-Pad1): U812.1 U814.13
Net-(U812-Pad3): U812.3 U814.12
Net-(U903-Pad10): U903.10
Net-(U903-Pad11): U903.11
Net-(U903-Pad14): U903.14
Net-(U1202-Pad10): U1202.10
Net-(U1202-Pad11): U1202.11
Net-(U1202-Pad14): U1202.14
Net-(U1801-Pad6): U1801.6 U1803.4
Net-(U1801-Pad7): U1801.7 U1803.1
Net-(U1802-Pad6): U1802.6 U1804.6
Net-(U1802-Pad7): U1802.7 U1804.3
Net-(U1901-Pad7): U1901.7
Net-(U1901-Pad14): U1901.14
Net-(U1904-Pad5): U1904.5
Net-(U1905-Pad5): U1905.5
Net-(U1908-Pad7): U1908.7
Net-(U1908-Pad14): U1908.14

## Via types
v1: diameter 1.5, hole 0.9, Top to Bottom, 17 vias
v2: diameter 0.457, hole 0.3, Top to Bottom, 134 vias
v3: diameter 1, hole 0.5, Top to Bottom, 106 vias
v4: diameter 0.8, hole 0.5, Top to Bottom, 147 vias
v5: diameter 0.6, hole 0.4, Top to Bottom, 301 vias
v6: diameter 0.8, hole 0.4, Top to Bottom, 2 vias
v7: diameter 1, hole 0.7, Top to Bottom, 19 vias
v8: diameter 0.7, hole 0.5, Top to Bottom, 2 vias

## Routing (per net, layer and track width the routed paths; a pad name or vN(x,y) marks a point on that pad's centre or on a via; arc(x,y) is an arc through that point)
1V2C: length 28.4
  Bottom w0.152: 92.7,97.17 U706.4
  Bottom w0.25: U706.4 92.06,97.43
  Bottom w0.5: 86.87,100.03 86.9,100.05 92.87,100.05 92.96,100.14 ; 87.09,100.05 87.12,100.03 ; C712.2 C714.2
  Bottom w1.5: U706.2 U706.4 92.96,92.5 91.7,91.24 85.5,91.24
1V2uC: length 109.4
  Top w0.152: 72.7,66.64 U301.R10 ; 72.7,66.64 v2(72.7,66.24) ; 72.7,66.64 U301.P10 ; 77.5,63.04 v2(77.51,63.05)
  Top w0.2: U301.E11 v2(79.9,66.24) U301.F11 ; U301.R13 v2(72.7,63.84) U301.P13 ; U301.E9 v2(79.9,67.84) U301.F9 ; U301.K5 v2(76.3,70.24) U301.K6
  Top w0.25: 78.7,63.04 U301.G15 ; 78.7,63.04 U301.G14 ; 78.7,63.04 v2(79.1,63.04) ; U301.J14 77.1,63.04 ; 77.1,63.04 U301.J15 ; 77.1,63.04 v2(77.51,63.05)
  In3.Cu w0.5: v4(84.3,74.24) 84.3,74.81 81.9,77.21 81.9,82.03 v7(79.89,84.03)
  Vcc.Cu w0.152: 81.1,71.44 80.7,71.04 80.7,70.74 80.8,70.64 83.3,70.64 83.5,70.84 ; 81.1,71.44 83.5,71.44 ; 81.1,71.44 81.5,71.84 ; 79.9,68.24 83.1,68.24 83.5,68.64 83.5,69.04 ; 83.5,69.04 83.5,69.44 ; 83.5,69.04 80.7,69.04 ; 80.7,69.96 80.82,69.84 83.5,69.84 ; v2(77.51,63.05) 77.49,63.05 ; v2(77.51,63.05) 77.52,63.04 v2(77.51,63.05) ; v2(76.3,70.24) 76.3,70.13 ; 78.7,68.24 78.5,68.44 ; 81.5,72.24 83.5,72.24 ; 72.61,66.24 72.7,66.14
  Vcc.Cu w0.5: 74.1,66.24 74.1,68.02 74.9,68.82 76.3,68.82 ; 74.1,66.24 v2(72.7,66.24) ; 74.1,66.24 74.1,65.04 74.9,64.24 77.5,64.24 ; v2(79.1,63.04) U301.G14 78.7,64.24 ; 78.7,67.84 78.7,68.24 78.12,68.82 76.3,68.82 ; 78.7,67.84 78.7,66.24 ; 78.7,67.84 v2(79.9,67.84) 79.9,68.24 80.7,69.04 80.7,70.74 ; 83.5,73.44 81.9,73.44 81.5,73.04 81.5,71.84 ; 83.5,73.44 83.5,72.24 83.5,71.44 83.5,69.84 ; 83.5,73.44 v4(84.3,74.24) ; 83.5,69.84 83.5,68.34 ; 83.5,69.84 83.5,69.44 ; 77.5,64.24 78.7,64.24 ; 77.5,64.24 77.51,64.23 v2(77.51,63.05) ; 78.7,64.24 78.7,66.24 ; 76.3,68.82 v2(76.3,70.24) ; 79.1,66.24 79.5,66.24 ; 79.5,66.24 78.7,66.24 ; 79.5,66.24 v2(79.9,66.24)
  Bottom w0.152: C516.1 73.89,65.45 ; 69.3,64.24 68.7,64.84 68.7,65.05 68.7,65.04 ; 69.3,64.24 71.9,64.24 ; 69.3,64.24 69.3,64.25 C506.1 ; 77.3,73.44 77.1,73.24 77.1,72.24 77.3,72.04 77.3,71.44 76.3,70.44 v2(76.3,70.24) ; 77.3,73.84 C530.1 ; 77.52,63.04 v2(77.51,63.05)
  Bottom w0.25: v2(72.7,66.24) 73.11,66.24 C516.1 ; v2(76.3,70.24) 76.71,69.83 C512.1 ; 71.9,64.24 72.7,64.24
  Bottom w0.5: v2(72.7,63.84) 72.7,64.24 73.9,65.44 C516.1 ; C530.1 77.49,74.05 77.49,79.23 79.5,81.24 79.5,82.84 79.89,83.23 v7(79.89,84.03) 79.81,84.03 79.5,84.34 L503.2 ; C524.1 83.91,74.63 v4(84.3,74.24) 83.93,73.87 C514.1 ; 78.69,64.24 78.69,63.05 78.7,63.04 v2(79.1,63.04) 77.52,63.04
3V3: length 959.1
  Top w0.152: 132.02,17.54 J201.7 ; v4(149.1,30.64) 149.29,30.92
  Top w0.25: U201.14 123.24,34.73 123.5,34.46 125.28,34.46 126.7,33.04 126.7,33.01 v3(127.28,32.44) ; U201.21 125.47,38 126.3,38.83 126.3,42.97 v3(125.96,43.32) ; v4(48.3,102.44) 47.92,102.82 43.48,102.82 43.2,103.1 43.2,103.94
  Top w0.4: 123.85,32.56 123.85,31.18 R206.1 123.1,31.04 v3(122.9,31.24)
  Top w0.5: 76.3,91.68 76.3,93.04 v1(76.1,93.24) ; 76.3,91.68 D604.2 ; 76.3,91.68 D603.2 ; 135.7,33.97 135.69,33.96 v3(135.69,32.92) ; 135.7,33.97 C411.1 C405.1 ; 135.7,33.97 C409.1 134.72,33.81 134.72,31.58 ; C914.2 34.49,104.05 34.7,103.84 35.3,104.44 U905.8 ; v3(8,36.4) 7.09,37.31 U903.1 ; C1813.1 C917.2 15.09,38.45 14.7,38.84 v3(14.7,40.84) 14.71,40.85 U903.7 ; U1202.7 101.63,33.72 100.2,35.14 v3(98.4,35.14) ; C834.1 55.02,81.51 U814.1 ; C834.1 55.19,80.52 ; C834.1 55.98,80.52 v3(55.99,80.53) ; v3(133.54,44.68) 133.54,45.43 133.52,45.43 132.1,46.84 R427.1 131.7,47.64 132.7,48.64 133.7,48.64 R415.1 ; v3(133.54,44.68) 133.57,44.68 ; v3(133.54,44.68) 133.54,43.98 133.68,43.84 133.7,43.84 134.31,43.23 R413.1 ; 62.95,29.84 62.95,30.59 60.41,33.13 U602.3 ; 62.95,29.84 62.95,30.65 v3(63.49,31.19) 64.3,32 64.3,33.8 64.93,34.43 C603.2 ; 62.95,29.84 U602.8 U602.7 ; v7(7.5,104.05) 7.97,104.05 U901.8 8.36,106.59 C903.2 ; Y401.1 130.2,41.54 v3(130.9,42.24) 131.6,41.54 Y401.4 ; 53.92,68.53 v3(53.92,68.16) ; v3(53.92,68.16) 53.69,67.93 ; v3(53.92,68.16) 55.49,66.59 D1401.2 D1402.2 ; v3(53.92,68.16) U813.1 ; v3(127.28,32.44) 127.71,32.44 128.49,31.65 R205.1 ; R705.1 95.61,103.76 95.5,103.66 ; C408.1 147.59,31.94 C419.1 C423.1 148.64,31.1 v4(149.1,30.64) ; C408.1 C410.1 C412.1 151.8,33.97 v3(152.47,33.34) 152.46,33.34 152.45,33.32 ; C408.1 C404.2 ; U1202.1 109.2,29.84 109.2,34.37 v3(109.01,34.56) ; C405.1 138.1,33.9 C422.1 ; C405.1 C407.1 139.78,33.96 R422.2 ; J601.4 73.86,106.2 v3(73.9,106.24) ; Y402.4 144.4,43.74 v3(143.9,44.24) 143,43.34 Y402.1 ; J1401.1 95.18,86.36 v3(95.1,86.44) ; 40.28,42.44 40.28,42.44 U1802.16 40.23,41.91 40.3,41.84 v3(41.3,41.84) 41.62,41.52 C1818.1 ; 13.7,103.84 13.91,104.05 C904.2 17.02,104.05 U902.8 ; v3(144.3,48.04) 144.41,47.93 R412.1 ; C833.1 55.5,93.24 v3(55.1,92.84) ; U904.8 26.07,104.05 v7(25.1,104.05) C913.2 ; U1801.16 28.06,41.08 v3(28.1,41.04) ; v3(119.95,30.93) 119.3,31.57 R209.1 119.24,32.65 R202.2
  Top w1: 95.5,103.66 99.84,103.66 U702.3
  Vcc.Cu w0.4: v4(65.5,100.84) 65.5,102.8 65.1,103.2
  Vcc.Cu w0.5: v3(122.9,31.24) 122.9,32.84 123.62,32.84 123.7,32.92 ; 128.7,42.24 128.7,33.32 129.1,32.92 ; 128.7,42.24 127.03,42.24 v3(125.96,43.32) ; 128.7,42.24 v3(130.9,42.24) 132.9,42.24 133.54,42.88 v3(133.54,44.68) ; 25.9,38.44 v3(25.9,34.84) ; 64.9,103 65.1,103.2 ; 53.99,80.53 53.9,80.44 ; 143.7,32.92 143.9,33.12 143.9,40.04 ; v3(73.14,35.34) 73.14,33.88 73.1,33.84 ; 63.49,33.63 63.7,33.84 63.81,33.73 ; 127.3,32.92 127.28,32.9 v3(127.28,32.44) ; 143.9,40.04 v4(143.9,39.24) ; 143.9,40.04 v3(143.9,44.24) 143.9,47.64 v3(144.3,48.04) ; v3(98.4,35.14) 98.4,34.14 98.7,33.84 98.9,34.04 ; 70.1,104.04 69.5,104.04 v5(69.5,105.44) ; 140.5,32.92 140.39,32.8 v3(140.39,30.51) ; 60.06,103.2 60.1,103.24 60.1,104.55 v5(59.71,104.94) ; 129.64,32.66 129.9,32.92 ; v3(41.17,34.31) 41.17,38.31 41.3,38.44 v3(41.3,41.84) ; 144.49,33.18 145.17,33.18 v3(144.91,32.92) ; v3(28.1,41.04) 28.1,38.44 ; 66.4,103.2 67.72,103.2 ; v3(54.7,34.24) 55.1,34.44 ; 53.9,68.14 v3(53.92,68.16) ; v3(86.3,35.18) 86.3,33.84 ; v3(14.7,40.84) 14.7,38.44
  Vcc.Cu w1: 108.29,33.84 108.9,33.84 108.9,34.46 v3(109.01,34.56) ; 108.29,33.84 55.1,33.84 v3(54.7,34.24) ; 108.29,33.84 111.6,33.84 ; 102.8,83.44 102.8,78.94 105.7,76.04 105.7,67.24 103.3,64.84 103.3,60.44 105.3,58.44 105.3,54.04 111.6,47.74 111.6,33.84 ; 102.8,83.44 96.5,83.44 95.1,84.84 v3(95.1,86.44) ; 102.8,83.44 110.3,83.44 110.8,83.94 v7(110.8,85.2) ; 73.9,104.42 70.48,104.42 69.26,103.2 60.06,103.2 60.06,103 57.5,100.44 57.3,100.44 ; 73.9,104.42 v3(73.9,106.24) ; 73.9,104.42 77.9,104.42 ; v1(76.1,93.24) 76.1,98.04 77.9,99.84 77.9,104.42 ; 111.6,33.84 119.1,33.84 120.02,32.92 121.94,32.92 ; 57.3,100.44 54.04,100.44 v1(54,100.4) ; 57.3,100.44 57.1,100.24 57.1,95.24 v3(55.1,92.84) 55.3,90.24 53.9,88.84 53.9,66.04 54.89,65.05 54.89,57.44 ; v3(63.49,31.19) 63.49,33.63 ; v3(144.91,32.92) 145.3,32.53 145.3,25.64 145.5,25.44 ; v3(144.91,32.92) 132.3,32.92 ; v3(144.91,32.92) 145.33,33.34 v3(152.47,33.34) ; 51.5,38.44 54.9,41.84 54.9,54.44 ; 80.22,103.92 80.14,103.84 77.9,103.84 77.9,104.42 ; 121.94,32.92 132.3,32.92 ; 121.94,32.92 119.95,32.92 v3(119.95,30.93) ; 147.3,25.44 147.33,25.41 J401.12 J401.5 147.33,6.47 146.7,5.84 v3(146.7,3.24) ; 147.3,25.44 145.5,25.44 ; 147.3,25.44 v3(150.9,25.44) ; 54.9,54.44 v7(53.7,55.64) 54.89,56.83 54.89,57.44 ; 54.9,54.44 54.89,54.45 54.89,57.44 ; 132.3,32.92 132.3,29.18 v3(129.64,26.52) 127.9,24.78 127.9,21.24 129.3,19.84 131.3,19.84 132.2,18.94 J201.7 ; 145.5,25.44 144.51,25.44 v3(143.25,24.18) 142.24,24.18 141.3,23.24 J401.9 J401.2 ; v3(55.99,80.53) 53.99,80.53
  Vcc.Cu w1.5: v1(118.62,96.49) 118.62,96.72 115.7,99.64 108.1,99.64 103.82,103.92 U702.3 80.22,103.92 ; v3(8,36.4) 10.04,38.44 50.7,38.44 ; 50.7,38.44 51.5,38.44 ; 50.7,38.44 50.7,38.24 v3(54.7,34.24) ; v7(7.5,104.05) v7(34.7,104.05) 39.71,104.05 41.51,105.85 46.69,105.85 48.3,104.24 48.3,101.64 49.54,100.4 v1(54,100.4)
  Bottom w0.152: 132.2,18.27 J201.7 132.61,17.94 ; 59.74,104.27 59.89,104.27 ; 54.36,102 54.21,102 ; 69.55,105.4 v5(69.5,105.44)
  Bottom w0.2: U403.14 147.54,34.51 147.27,34.24 146.7,34.24 145.38,32.92 v3(144.91,32.92) 144.42,32.92 R437.1
  Bottom w0.25: v3(135.69,32.92) 136.15,33.38 U402.14 ; U403.21 144.54,38 143.9,38.64 v4(143.9,39.24) ; U402.21 132.74,38 130.9,39.84 v3(130.9,42.24)
  Bottom w0.4: v4(65.5,100.84) 65.3,100.84 64.9,101.24 64.9,102.07 ; 110.46,86.63 110.46,85.54 v7(110.8,85.2) ; 120.6,92.42 U1601.8